# KiCad board DoubleWig.kicad_pcb (continued)
## Footprints (pads in the part's own frame, mm; a bottom-side part is the same pattern mirrored in y, then rotated) (continued)
13(-6.664,5.592) 13(-6.664,4.568) 13(-6.664,4.568) 13(-6.664,3.052) 13(-6.664,3.052) 13(-6.664,2.028) 13(-6.664,2.028) 13(-6.664,0.512) 13(-6.664,0.512) 13(-6.036,14.728) 13(-6.036,14.728) 13(-6.036,13.212) 13(-6.036,13.212) 13(-6.036,12.188) 13(-6.036,12.188) 13(-6.036,10.672) 13(-6.036,10.672) 13(-6.036,9.648) 13(-6.036,9.648) 13(-6.036,8.132) 13(-6.036,8.132) 13(-6.036,7.108) 13(-6.036,7.108) 13(-6.036,5.592) 13(-6.036,5.592) 13(-6.036,4.568) 13(-6.036,4.568) 13(-6.036,3.052) 13(-6.036,3.052) 13(-6.036,2.028) 13(-6.036,2.028) 13(-6.036,0.512) 13(-6.036,0.512) 13(-5.592,14.284) 13(-5.592,14.284) 13(-5.592,11.116) 13(-5.592,11.116) 13(-5.592,9.204) 13(-5.592,9.204) 13(-5.592,8.576) 13(-5.592,8.576) 13(-5.592,6.664) 13(-5.592,6.664) 13(-5.592,6.036) 13(-5.592,6.036) 13(-5.592,4.124) 13(-5.592,4.124) 13(-5.592,1.584) 13(-5.592,1.584) 13(-5.592,0.956) 13(-5.592,0.956) 13(-5.592,13.656) 13(-5.592,13.656) 13(-5.592,11.744) 13(-5.592,11.744) 13(-5.592,3.496) 13(-5.592,3.496) 13(-4.568,13.656) 13(-4.568,13.656) 13(-4.568,11.744) 13(-4.568,11.744) 13(-4.568,3.496) 13(-4.568,3.496) 13(-4.568,14.284) 13(-4.568,14.284) 13(-4.568,11.116) 13(-4.568,11.116) 13(-4.568,9.204) 13(-4.568,9.204) 13(-4.568,8.576) 13(-4.568,8.576) 13(-4.568,6.664) 13(-4.568,6.664) 13(-4.568,6.036) 13(-4.568,6.036) 13(-4.568,4.124) 13(-4.568,4.124) 13(-4.568,1.584) 13(-4.568,1.584) 13(-4.568,0.956) 13(-4.568,0.956) 13(-4.124,14.728) 13(-4.124,14.728) 14(-4.124,13.212) 14(-4.124,13.212) 14(-4.124,12.188) 14(-4.124,12.188) 14(-4.124,10.672) 14(-4.124,10.672) 14(-4.124,9.648) 14(-4.124,9.648) 14(-4.124,8.132) 14(-4.124,8.132) 14(-4.124,7.108) 14(-4.124,7.108) 14(-4.124,5.592) 14(-4.124,5.592) 14(-4.124,4.568) 14(-4.124,4.568) 14(-4.124,3.052) 14(-4.124,3.052) 14(-4.124,2.028) 14(-4.124,2.028) 14(-4.124,0.512) 14(-4.124,0.512) 14(-3.496,14.728) 14(-3.496,14.728) 14(-3.496,13.212) 14(-3.496,13.212) 14(-3.496,12.188) 14(-3.496,12.188) 14(-3.496,10.672) 14(-3.496,10.672) 14(-3.496,9.648) 14(-3.496,9.648) 14(-3.496,8.132) 14(-3.496,8.132) 14(-3.496,7.108) 14(-3.496,7.108) 14(-3.496,5.592) 14(-3.496,5.592) 14(-3.496,4.568) 14(-3.496,4.568) 14(-3.496,3.052) 14(-3.496,3.052) 14(-3.496,2.028) 14(-3.496,2.028) 14(-3.496,0.512) 14(-3.496,0.512) 14(-3.052,14.284) 14(-3.052,14.284) 14(-3.052,11.116) 14(-3.052,11.116) 14(-3.052,9.204) 14(-3.052,9.204) 14(-3.052,8.576) 14(-3.052,8.576) 14(-3.052,6.664) 14(-3.052,6.664) 14(-3.052,6.036) 14(-3.052,6.036) 14(-3.052,4.124) 14(-3.052,4.124) 14(-3.052,1.584) 14(-3.052,1.584) 14(-3.052,0.956) 14(-3.052,0.956) 14(-3.052,13.656) 14(-3.052,13.656) 14(-3.052,11.744) 14(-3.052,11.744) 14(-3.052,3.496) 14(-3.052,3.496) 14(-2.028,13.656) 14(-2.028,13.656) 14(-2.028,11.744) 14(-2.028,11.744) 14(-2.028,3.496) 14(-2.028,3.496) 14(-2.028,14.284) 14(-2.028,14.284) 14(-2.028,11.116) 14(-2.028,11.116) 14(-2.028,9.204) 14(-2.028,9.204) 14(-2.028,8.576) 14(-2.028,8.576) 14(-2.028,6.664) 14(-2.028,6.664) 14(-2.028,6.036) 14(-2.028,6.036) 14(-2.028,4.124) 14(-2.028,4.124) 14(-2.028,1.584) 14(-2.028,1.584) 14(-2.028,0.956) 14(-2.028,0.956) 14(-1.584,14.728) 14(-1.584,14.728) 15(-1.584,13.212) 15(-1.584,13.212) 15(-1.584,12.188) 15(-1.584,12.188) 15(-1.584,10.672) 15(-1.584,10.672) 15(-1.584,9.648) 15(-1.584,9.648) 15(-1.584,8.132) 15(-1.584,8.132) 15(-1.584,7.108) 15(-1.584,7.108) 15(-1.584,5.592) 15(-1.584,5.592) 15(-1.584,4.568) 15(-1.584,4.568) 15(-1.584,3.052) 15(-1.584,3.052) 15(-1.584,2.028) 15(-1.584,2.028) 15(-1.584,0.512) 15(-1.584,0.512) 15(-0.956,14.728) 15(-0.956,14.728) 15(-0.956,13.212) 15(-0.956,13.212) 15(-0.956,12.188) 15(-0.956,12.188) 15(-0.956,10.672) 15(-0.956,10.672) 15(-0.956,9.648) 15(-0.956,9.648) 15(-0.956,8.132) 15(-0.956,8.132) 15(-0.956,7.108) 15(-0.956,7.108) 15(-0.956,5.592) 15(-0.956,5.592) 15(-0.956,4.568) 15(-0.956,4.568) 15(-0.956,3.052) 15(-0.956,3.052) 15(-0.956,2.028) 15(-0.956,2.028) 15(-0.956,0.512) 15(-0.956,0.512) 15(-0.512,14.284) 15(-0.512,14.284) 15(-0.512,11.116) 15(-0.512,11.116) 15(-0.512,9.204) 15(-0.512,9.204) 15(-0.512,8.576) 15(-0.512,8.576) 15(-0.512,6.664) 15(-0.512,6.664) 15(-0.512,6.036) 15(-0.512,6.036) 15(-0.512,4.124) 15(-0.512,4.124) 15(-0.512,1.584) 15(-0.512,1.584) 15(-0.512,0.956) 15(-0.512,0.956) 15(-0.512,13.656) 15(-0.512,13.656) 15(-0.512,11.744) 15(-0.512,11.744) 15(-0.512,3.496) 15(-0.512,3.496) 15(0.512,13.656) 15(0.512,13.656) 15(0.512,11.744) 15(0.512,11.744) 15(0.512,3.496) 15(0.512,3.496) 15(0.512,14.284) 15(0.512,14.284) 15(0.512,11.116) 15(0.512,11.116) 15(0.512,9.204) 15(0.512,9.204) 15(0.512,8.576) 15(0.512,8.576) 15(0.512,6.664) 15(0.512,6.664) 15(0.512,6.036) 15(0.512,6.036) 15(0.512,4.124) 15(0.512,4.124) 15(0.512,1.584) 15(0.512,1.584) 15(0.512,0.956) 15(0.512,0.956) 15(0.956,14.728) 15(0.956,14.728) 16(0.956,13.212) 16(0.956,13.212) 16(0.956,12.188) 16(0.956,12.188) 16(0.956,10.672) 16(0.956,10.672) 16(0.956,9.648) 16(0.956,9.648) 16(0.956,8.132) 16(0.956,8.132) 16(0.956,7.108) 16(0.956,7.108) 16(0.956,5.592) 16(0.956,5.592) 16(0.956,4.568) 16(0.956,4.568) 16(0.956,3.052) 16(0.956,3.052) 16(0.956,2.028) 16(0.956,2.028) 16(0.956,0.512) 16(0.956,0.512) 16(1.584,14.728) 16(1.584,14.728) 16(1.584,13.212) 16(1.584,13.212) 16(1.584,12.188) 16(1.584,12.188) 16(1.584,10.672) 16(1.584,10.672) 16(1.584,9.648) 16(1.584,9.648) 16(1.584,8.132) 16(1.584,8.132) 16(1.584,7.108) 16(1.584,7.108) 16(1.584,5.592) 16(1.584,5.592) 16(1.584,4.568) 16(1.584,4.568) 16(1.584,3.052) 16(1.584,3.052) 16(1.584,2.028) 16(1.584,2.028) 16(1.584,0.512) 16(1.584,0.512) 16(2.028,14.284) 16(2.028,14.284) 16(2.028,11.116) 16(2.028,11.116) 16(2.028,9.204) 16(2.028,9.204) 16(2.028,8.576) 16(2.028,8.576) 16(2.028,6.664) 16(2.028,6.664) 16(2.028,6.036) 16(2.028,6.036) 16(2.028,4.124) 16(2.028,4.124) 16(2.028,1.584) 16(2.028,1.584) 16(2.028,0.956) 16(2.028,0.956) 16(2.028,13.656) 16(2.028,13.656) 16(2.028,11.744) 16(2.028,11.744) 16(2.028,3.496) 16(2.028,3.496) 16(3.052,13.656) 16(3.052,13.656) 16(3.052,11.744) 16(3.052,11.744) 16(3.052,3.496) 16(3.052,3.496) 16(3.052,14.284) 16(3.052,14.284) 16(3.052,11.116) 16(3.052,11.116) 16(3.052,9.204) 16(3.052,9.204) 16(3.052,8.576) 16(3.052,8.576) 16(3.052,6.664) 16(3.052,6.664) 16(3.052,6.036) 16(3.052,6.036) 16(3.052,4.124) 16(3.052,4.124) 16(3.052,1.584) 16(3.052,1.584) 16(3.052,0.956) 16(3.052,0.956) 16(3.496,14.728) 16(3.496,14.728) 17(3.496,13.212) 17(3.496,13.212) 17(3.496,12.188) 17(3.496,12.188) 17(3.496,10.672) 17(3.496,10.672) 17(3.496,9.648) 17(3.496,9.648) 17(3.496,8.132) 17(3.496,8.132) 17(3.496,7.108) 17(3.496,7.108) 17(3.496,5.592) 17(3.496,5.592) 17(3.496,4.568) 17(3.496,4.568) 17(3.496,3.052) 17(3.496,3.052) 17(3.496,2.028) 17(3.496,2.028) 17(3.496,0.512) 17(3.496,0.512) 17(4.124,14.728) 17(4.124,14.728) 17(4.124,13.212) 17(4.124,13.212) 17(4.124,12.188) 17(4.124,12.188) 17(4.124,10.672) 17(4.124,10.672) 17(4.124,9.648) 17(4.124,9.648) 17(4.124,8.132) 17(4.124,8.132) 17(4.124,7.108) 17(4.124,7.108) 17(4.124,5.592) 17(4.124,5.592) 17(4.124,4.568) 17(4.124,4.568) 17(4.124,3.052) 17(4.124,3.052) 17(4.124,2.028) 17(4.124,2.028) 17(4.124,0.512) 17(4.124,0.512) 17(4.568,14.284) 17(4.568,14.284) 17(4.568,11.116) 17(4.568,11.116) 17(4.568,9.204) 17(4.568,9.204) 17(4.568,8.576) 17(4.568,8.576) 17(4.568,6.664) 17(4.568,6.664) 17(4.568,6.036) 17(4.568,6.036) 17(4.568,4.124) 17(4.568,4.124) 17(4.568,1.584) 17(4.568,1.584) 17(4.568,0.956) 17(4.568,0.956) 17(4.568,13.656) 17(4.568,13.656) 17(4.568,11.744) 17(4.568,11.744) 17(4.568,3.496) 17(4.568,3.496) 17(5.592,13.656) 17(5.592,13.656) 17(5.592,11.744) 17(5.592,11.744) 17(5.592,3.496) 17(5.592,3.496) 17(5.592,14.284) 17(5.592,14.284) 17(5.592,11.116) 17(5.592,11.116) 17(5.592,9.204) 17(5.592,9.204) 17(5.592,8.576) 17(5.592,8.576) 17(5.592,6.664) 17(5.592,6.664) 17(5.592,6.036) 17(5.592,6.036) 17(5.592,4.124) 17(5.592,4.124) 17(5.592,1.584) 17(5.592,1.584) 17(5.592,0.956) 17(5.592,0.956) 17(6.036,14.728) 17(6.036,14.728) 18(6.036,13.212) 18(6.036,13.212) 18(6.036,12.188) 18(6.036,12.188) 18(6.036,10.672) 18(6.036,10.672) 18(6.036,9.648) 18(6.036,9.648) 18(6.036,8.132) 18(6.036,8.132) 18(6.036,7.108) 18(6.036,7.108) 18(6.036,5.592) 18(6.036,5.592) 18(6.036,4.568) 18(6.036,4.568) 18(6.036,3.052) 18(6.036,3.052) 18(6.036,2.028) 18(6.036,2.028) 18(6.036,0.512) 18(6.036,0.512) 18(6.664,14.728) 18(6.664,14.728) 18(6.664,13.212) 18(6.664,13.212) 18(6.664,12.188) 18(6.664,12.188) 18(6.664,10.672) 18(6.664,10.672) 18(6.664,9.648) 18(6.664,9.648) 18(6.664,8.132) 18(6.664,8.132) 18(6.664,7.108) 18(6.664,7.108) 18(6.664,5.592) 18(6.664,5.592) 18(6.664,4.568) 18(6.664,4.568) 18(6.664,3.052) 18(6.664,3.052) 18(6.664,2.028) 18(6.664,2.028) 18(6.664,0.512) 18(6.664,0.512) 18(7.108,14.284) 18(7.108,14.284) 18(7.108,11.116) 18(7.108,11.116) 18(7.108,9.204) 18(7.108,9.204) 18(7.108,8.576) 18(7.108,8.576) 18(7.108,6.664) 18(7.108,6.664) 18(7.108,6.036) 18(7.108,6.036) 18(7.108,4.124) 18(7.108,4.124) 18(7.108,1.584) 18(7.108,1.584) 18(7.108,0.956) 18(7.108,0.956) 18(7.108,13.656) 18(7.108,13.656) 18(7.108,11.744) 18(7.108,11.744) 18(7.108,3.496) 18(7.108,3.496) 18(8.132,13.656) 18(8.132,13.656) 18(8.132,11.744) 18(8.132,11.744) 18(8.132,3.496) 18(8.132,3.496) 18(8.132,14.284) 18(8.132,14.284) 18(8.132,11.116) 18(8.132,11.116) 18(8.132,9.204) 18(8.132,9.204) 18(8.132,8.576) 18(8.132,8.576) 18(8.132,6.664) 18(8.132,6.664) 18(8.132,6.036) 18(8.132,6.036) 18(8.132,4.124) 18(8.132,4.124) 18(8.132,1.584) 18(8.132,1.584) 18(8.132,0.956) 18(8.132,0.956) 18(8.576,14.728) 18(8.576,14.728) 19(8.576,13.212) 19(8.576,13.212) 19(8.576,12.188) 19(8.576,12.188) 19(8.576,10.672) 19(8.576,10.672) 19(8.576,9.648) 19(8.576,9.648) 19(8.576,8.132) 19(8.576,8.132) 19(8.576,7.108) 19(8.576,7.108) 19(8.576,5.592) 19(8.576,5.592) 19(8.576,4.568) 19(8.576,4.568) 19(8.576,3.052) 19(8.576,3.052) 19(8.576,2.028) 19(8.576,2.028) 19(8.576,0.512) 19(8.576,0.512) 19(9.204,14.728) 19(9.204,14.728) 19(9.204,13.212) 19(9.204,13.212) 19(9.204,12.188) 19(9.204,12.188) 19(9.204,10.672) 19(9.204,10.672) 19(9.204,9.648) 19(9.204,9.648) 19(9.204,8.132) 19(9.204,8.132) 19(9.204,7.108) 19(9.204,7.108) 19(9.204,5.592) 19(9.204,5.592) 19(9.204,4.568) 19(9.204,4.568) 19(9.204,3.052) 19(9.204,3.052) 19(9.204,2.028) 19(9.204,2.028) 19(9.204,0.512) 19(9.204,0.512) 19(9.648,14.284) 19(9.648,14.284) 19(9.648,11.116) 19(9.648,11.116) 19(9.648,9.204) 19(9.648,9.204) 19(9.648,8.576) 19(9.648,8.576) 19(9.648,6.664) 19(9.648,6.664) 19(9.648,6.036) 19(9.648,6.036) 19(9.648,4.124) 19(9.648,4.124) 19(9.648,1.584) 19(9.648,1.584) 19(9.648,0.956) 19(9.648,0.956) 19(9.648,13.656) 19(9.648,13.656) 19(9.648,11.744) 19(9.648,11.744) 19(9.648,3.496) 19(9.648,3.496) 19(10.672,13.656) 19(10.672,13.656) 19(10.672,11.744) 19(10.672,11.744) 19(10.672,3.496) 19(10.672,3.496) 19(10.672,14.284) 19(10.672,14.284) 19(10.672,11.116) 19(10.672,11.116) 19(10.672,9.204) 19(10.672,9.204) 19(10.672,8.576) 19(10.672,8.576) 19(10.672,6.664) 19(10.672,6.664) 19(10.672,6.036) 19(10.672,6.036) 19(10.672,4.124) 19(10.672,4.124) 19(10.672,1.584) 19(10.672,1.584) 19(10.672,0.956) 19(10.672,0.956) 19(11.116,14.728) 19(11.116,14.728) 20(11.116,13.212) 20(11.116,13.212) 20(11.116,12.188) 20(11.116,12.188) 20(11.116,10.672) 20(11.116,10.672) 20(11.116,9.648) 20(11.116,9.648) 20(11.116,8.132) 20(11.116,8.132) 20(11.116,7.108) 20(11.116,7.108) 20(11.116,5.592) 20(11.116,5.592) 20(11.116,4.568) 20(11.116,4.568) 20(11.116,3.052) 20(11.116,3.052) 20(11.116,2.028) 20(11.116,2.028) 20(11.116,0.512) 20(11.116,0.512) 20(11.744,14.728) 20(11.744,14.728) 20(11.744,13.212) 20(11.744,13.212) 20(11.744,12.188) 20(11.744,12.188) 20(11.744,10.672) 20(11.744,10.672) 20(11.744,9.648) 20(11.744,9.648) 20(11.744,8.132) 20(11.744,8.132) 20(11.744,7.108) 20(11.744,7.108) 20(11.744,5.592) 20(11.744,5.592) 20(11.744,4.568) 20(11.744,4.568) 20(11.744,3.052) 20(11.744,3.052) 20(11.744,2.028) 20(11.744,2.028) 20(11.744,0.512) 20(11.744,0.512) 20(12.188,14.284) 20(12.188,14.284) 20(12.188,11.116) 20(12.188,11.116) 20(12.188,9.204) 20(12.188,9.204) 20(12.188,8.576) 20(12.188,8.576) 20(12.188,6.664) 20(12.188,6.664) 20(12.188,6.036) 20(12.188,6.036) 20(12.188,4.124) 20(12.188,4.124) 20(12.188,1.584) 20(12.188,1.584) 20(12.188,0.956) 20(12.188,0.956) 20(12.188,13.656) 20(12.188,13.656) 20(12.188,11.744) 20(12.188,11.744) 20(12.188,3.496) 20(12.188,3.496) 20(13.212,13.656) 20(13.212,13.656) 20(13.212,11.744) 20(13.212,11.744) 20(13.212,3.496) 20(13.212,3.496) 20(13.212,14.284) 20(13.212,14.284) 20(13.212,11.116) 20(13.212,11.116) 20(13.212,9.204) 20(13.212,9.204) 20(13.212,8.576) 20(13.212,8.576) 20(13.212,6.664) 20(13.212,6.664) 20(13.212,6.036) 20(13.212,6.036) 20(13.212,4.124) 20(13.212,4.124) 20(13.212,1.584) 20(13.212,1.584) 20(13.212,0.956) 20(13.212,0.956) 20(13.656,14.728) 20(13.656,14.728) 21(13.656,13.212) 21(13.656,13.212) 21(13.656,12.188) 21(13.656,12.188) 21(13.656,10.672) 21(13.656,10.672) 21(13.656,9.648) 21(13.656,9.648) 21(13.656,8.132) 21(13.656,8.132) 21(13.656,7.108) 21(13.656,7.108) 21(13.656,5.592) 21(13.656,5.592) 21(13.656,4.568) 21(13.656,4.568) 21(13.656,3.052) 21(13.656,3.052) 21(13.656,2.028) 21(13.656,2.028) 21(13.656,0.512) 21(13.656,0.512) 21(14.284,14.728) 21(14.284,14.728) 21(14.284,13.212) 21(14.284,13.212) 21(14.284,12.188) 21(14.284,12.188) 21(14.284,10.672) 21(14.284,10.672) 21(14.284,9.648) 21(14.284,9.648) 21(14.284,8.132) 21(14.284,8.132) 21(14.284,7.108) 21(14.284,7.108) 21(14.284,5.592) 21(14.284,5.592) 21(14.284,4.568) 21(14.284,4.568) 21(14.284,3.052) 21(14.284,3.052) 21(14.284,2.028) 21(14.284,2.028) 21(14.284,0.512) 21(14.284,0.512) 21(14.728,14.284) 21(14.728,14.284) 21(14.728,11.116) 21(14.728,11.116) 21(14.728,9.204) 21(14.728,9.204) 21(14.728,8.576) 21(14.728,8.576) 21(14.728,6.664) 21(14.728,6.664) 21(14.728,6.036) 21(14.728,6.036) 21(14.728,4.124) 21(14.728,4.124) 21(14.728,1.584) 21(14.728,1.584) 21(14.728,0.956) 21(14.728,0.956) 21(14.728,13.656) 21(14.728,13.656) 21(14.728,11.744) 21(14.728,11.744) 21(14.728,3.496) 21(14.728,3.496) 21(15.752,13.656) 21(15.752,13.656) 21(15.752,11.744) 21(15.752,11.744) 21(15.752,3.496) 21(15.752,3.496) 21(15.752,14.284) 21(15.752,14.284) 21(15.752,11.116) 21(15.752,11.116) 21(15.752,9.204) 21(15.752,9.204) 21(15.752,8.576) 21(15.752,8.576) 21(15.752,6.664) 21(15.752,6.664) 21(15.752,6.036) 21(15.752,6.036) 21(15.752,4.124) 21(15.752,4.124) 21(15.752,1.584) 21(15.752,1.584) 21(15.752,0.956) 21(15.752,0.956) 21(16.196,14.728) 21(16.196,14.728) 22(16.196,13.212) 22(16.196,13.212) 22(16.196,12.188) 22(16.196,12.188) 22(16.196,10.672) 22(16.196,10.672) 22(16.196,9.648) 22(16.196,9.648) 22(16.196,8.132) 22(16.196,8.132) 22(16.196,7.108) 22(16.196,7.108) 22(16.196,5.592) 22(16.196,5.592) 22(16.196,4.568) 22(16.196,4.568) 22(16.196,3.052) 22(16.196,3.052) 22(16.196,2.028) 22(16.196,2.028) 22(16.196,0.512) 22(16.196,0.512) 22(16.824,14.728) 22(16.824,14.728) 22(16.824,13.212) 22(16.824,13.212) 22(16.824,12.188) 22(16.824,12.188) 22(16.824,10.672) 22(16.824,10.672) 22(16.824,9.648) 22(16.824,9.648) 22(16.824,8.132) 22(16.824,8.132) 22(16.824,7.108) 22(16.824,7.108) 22(16.824,5.592) 22(16.824,5.592) 22(16.824,4.568) 22(16.824,4.568) 22(16.824,3.052) 22(16.824,3.052) 22(16.824,2.028) 22(16.824,2.028) 22(16.824,0.512) 22(16.824,0.512) 22(17.268,14.284) 22(17.268,14.284) 22(17.268,11.116) 22(17.268,11.116) 22(17.268,9.204) 22(17.268,9.204) 22(17.268,8.576) 22(17.268,8.576) 22(17.268,6.664) 22(17.268,6.664) 22(17.268,6.036) 22(17.268,6.036) 22(17.268,4.124) 22(17.268,4.124) 22(17.268,1.584) 22(17.268,1.584) 22(17.268,0.956) 22(17.268,0.956) 22(17.268,13.656) 22(17.268,13.656) 22(17.268,11.744) 22(17.268,11.744) 22(17.268,3.496) 22(17.268,3.496) 22(18.292,13.656) 22(18.292,13.656) 22(18.292,11.744) 22(18.292,11.744) 22(18.292,3.496) 22(18.292,3.496) 22(18.292,14.284) 22(18.292,14.284) 22(18.292,11.116) 22(18.292,11.116) 22(18.292,9.204) 22(18.292,9.204) 22(18.292,8.576) 22(18.292,8.576) 22(18.292,6.664) 22(18.292,6.664) 22(18.292,6.036) 22(18.292,6.036) 22(18.292,4.124) 22(18.292,4.124) 22(18.292,1.584) 22(18.292,1.584) 22(18.292,0.956) 22(18.292,0.956) 22(18.736,14.728) 22(18.736,14.728) 23(18.736,13.212) 23(18.736,13.212) 23(18.736,12.188) 23(18.736,12.188) 23(18.736,10.672) 23(18.736,10.672) 23(18.736,9.648) 23(18.736,9.648) 23(18.736,8.132) 23(18.736,8.132) 23(18.736,7.108) 23(18.736,7.108) 23(18.736,5.592) 23(18.736,5.592) 23(18.736,4.568) 23(18.736,4.568) 23(18.736,3.052) 23(18.736,3.052) 23(18.736,2.028) 23(18.736,2.028) 23(18.736,0.512) 23(18.736,0.512) 23(19.364,14.728) 23(19.364,14.728) 23(19.364,13.212) 23(19.364,13.212) 23(19.364,12.188) 23(19.364,12.188) 23(19.364,10.672) 23(19.364,10.672) 23(19.364,9.648) 23(19.364,9.648) 23(19.364,8.132) 23(19.364,8.132) 23(19.364,7.108) 23(19.364,7.108) 23(19.364,5.592) 23(19.364,5.592) 23(19.364,4.568) 23(19.364,4.568) 23(19.364,3.052) 23(19.364,3.052) 23(19.364,2.028) 23(19.364,2.028) 23(19.364,0.512) 23(19.364,0.512) 23(19.808,14.284) 23(19.808,14.284) 23(19.808,11.116) 23(19.808,11.116) 23(19.808,9.204) 23(19.808,9.204) 23(19.808,8.576) 23(19.808,8.576) 23(19.808,6.664) 23(19.808,6.664) 23(19.808,6.036) 23(19.808,6.036) 23(19.808,4.124) 23(19.808,4.124) 23(19.808,1.584) 23(19.808,1.584) 23(19.808,0.956) 23(19.808,0.956) 23(19.808,13.656) 23(19.808,13.656) 23(19.808,11.744) 23(19.808,11.744) 23(19.808,3.496) 23(19.808,3.496) 23(20.832,13.656) 23(20.832,13.656) 23(20.832,11.744) 23(20.832,11.744) 23(20.832,3.496) 23(20.832,3.496) 23(20.832,14.284) 23(20.832,14.284) 23(20.832,11.116) 23(20.832,11.116) 23(20.832,9.204) 23(20.832,9.204) 23(20.832,8.576) 23(20.832,8.576) 23(20.832,6.664) 23(20.832,6.664) 23(20.832,6.036) 23(20.832,6.036) 23(20.832,4.124) 23(20.832,4.124) 23(20.832,1.584) 23(20.832,1.584) 23(20.832,0.956) 23(20.832,0.956) 23(21.276,14.728) 23(21.276,14.728) 24(21.276,13.212) 24(21.276,13.212) 24(21.276,12.188) 24(21.276,12.188) 24(21.276,10.672) 24(21.276,10.672) 24(21.276,9.648) 24(21.276,9.648) 24(21.276,8.132) 24(21.276,8.132) 24(21.276,7.108) 24(21.276,7.108) 24(21.276,5.592) 24(21.276,5.592) 24(21.276,4.568) 24(21.276,4.568) 24(21.276,3.052) 24(21.276,3.052) 24(21.276,2.028) 24(21.276,2.028) 24(21.276,0.512) 24(21.276,0.512) 24(21.904,14.728) 24(21.904,14.728) 24(21.904,13.212) 24(21.904,13.212) 24(21.904,12.188) 24(21.904,12.188) 24(21.904,10.672) 24(21.904,10.672) 24(21.904,9.648) 24(21.904,9.648) 24(21.904,8.132) 24(21.904,8.132) 24(21.904,7.108) 24(21.904,7.108) 24(21.904,5.592) 24(21.904,5.592) 24(21.904,4.568) 24(21.904,4.568) 24(21.904,3.052) 24(21.904,3.052) 24(21.904,2.028) 24(21.904,2.028) 24(21.904,0.512) 24(21.904,0.512) 24(22.348,14.284) 24(22.348,14.284) 24(22.348,11.116) 24(22.348,11.116) 24(22.348,9.204) 24(22.348,9.204) 24(22.348,8.576) 24(22.348,8.576) 24(22.348,6.664) 24(22.348,6.664) 24(22.348,6.036) 24(22.348,6.036) 24(22.348,4.124) 24(22.348,4.124) 24(22.348,1.584) 24(22.348,1.584) 24(22.348,0.956) 24(22.348,0.956) 24(22.348,13.656) 24(22.348,13.656) 24(22.348,11.744) 24(22.348,11.744) 24(22.348,3.496) 24(22.348,3.496) 24(23.372,13.656) 24(23.372,13.656) 24(23.372,11.744) 24(23.372,11.744) 24(23.372,3.496) 24(23.372,3.496) 24(23.372,14.284) 24(23.372,14.284) 24(23.372,11.116) 24(23.372,11.116) 24(23.372,9.204) 24(23.372,9.204) 24(23.372,8.576) 24(23.372,8.576) 24(23.372,6.664) 24(23.372,6.664) 24(23.372,6.036) 24(23.372,6.036) 24(23.372,4.124) 24(23.372,4.124) 24(23.372,1.584) 24(23.372,1.584) 24(23.372,0.956) 24(23.372,0.956) 24(23.816,14.728) 24(23.816,14.728) 25(23.816,13.212) 25(23.816,13.212) 25(23.816,12.188) 25(23.816,12.188) 25(23.816,10.672) 25(23.816,10.672) 25(23.816,9.648) 25(23.816,9.648) 25(23.816,8.132) 25(23.816,8.132) 25(23.816,7.108) 25(23.816,7.108) 25(23.816,5.592) 25(23.816,5.592) 25(23.816,4.568) 25(23.816,4.568) 25(23.816,3.052) 25(23.816,3.052) 25(23.816,2.028) 25(23.816,2.028) 25(23.816,0.512) 25(23.816,0.512) 25(24.444,14.728) 25(24.444,14.728) 25(24.444,13.212) 25(24.444,13.212) 25(24.444,12.188) 25(24.444,12.188) 25(24.444,10.672) 25(24.444,10.672) 25(24.444,9.648) 25(24.444,9.648) 25(24.444,8.132) 25(24.444,8.132) 25(24.444,7.108) 25(24.444,7.108) 25(24.444,5.592) 25(24.444,5.592) 25(24.444,4.568) 25(24.444,4.568) 25(24.444,3.052) 25(24.444,3.052) 25(24.444,2.028) 25(24.444,2.028) 25(24.444,0.512) 25(24.444,0.512) 25(24.888,14.284) 25(24.888,14.284) 25(24.888,11.116) 25(24.888,11.116) 25(24.888,9.204) 25(24.888,9.204) 25(24.888,8.576) 25(24.888,8.576) 25(24.888,6.664) 25(24.888,6.664) 25(24.888,6.036) 25(24.888,6.036) 25(24.888,4.124) 25(24.888,4.124) 25(24.888,1.584) 25(24.888,1.584) 25(24.888,0.956) 25(24.888,0.956) 25(24.888,13.656) 25(24.888,13.656) 25(24.888,11.744) 25(24.888,11.744) 25(24.888,3.496) 25(24.888,3.496) 25(25.912,13.656) 25(25.912,13.656) 25(25.912,11.744) 25(25.912,11.744) 25(25.912,3.496) 25(25.912,3.496) 25(25.912,14.284) 25(25.912,14.284) 25(25.912,11.116) 25(25.912,11.116) 25(25.912,9.204) 25(25.912,9.204) 25(25.912,8.576) 25(25.912,8.576) 25(25.912,6.664) 25(25.912,6.664) 25(25.912,6.036) 25(25.912,6.036) 25(25.912,4.124) 25(25.912,4.124) 25(25.912,1.584) 25(25.912,1.584) 25(25.912,0.956) 25(25.912,0.956) 25(26.356,14.728) 25(26.356,14.728) 26(26.356,13.212) 26(26.356,13.212) 26(26.356,12.188) 26(26.356,12.188) 26(26.356,10.672) 26(26.356,10.672) 26(26.356,9.648) 26(26.356,9.648) 26(26.356,8.132) 26(26.356,8.132) 26(26.356,7.108) 26(26.356,7.108) 26(26.356,5.592) 26(26.356,5.592) 26(26.356,4.568) 26(26.356,4.568) 26(26.356,3.052) 26(26.356,3.052) 26(26.356,2.028) 26(26.356,2.028) 26(26.356,0.512) 26(26.356,0.512) 26(26.984,14.728) 26(26.984,14.728) 26(26.984,13.212) 26(26.984,13.212) 26(26.984,12.188) 26(26.984,12.188) 26(26.984,10.672) 26(26.984,10.672) 26(26.984,9.648) 26(26.984,9.648) 26(26.984,8.132) 26(26.984,8.132) 26(26.984,7.108) 26(26.984,7.108) 26(26.984,5.592) 26(26.984,5.592) 26(26.984,4.568) 26(26.984,4.568) 26(26.984,3.052) 26(26.984,3.052) 26(26.984,2.028) 26(26.984,2.028) 26(26.984,0.512) 26(26.984,0.512) 26(27.428,14.284) 26(27.428,14.284) 26(27.428,11.116) 26(27.428,11.116) 26(27.428,9.204) 26(27.428,9.204) 26(27.428,8.576) 26(27.428,8.576) 26(27.428,6.664) 26(27.428,6.664) 26(27.428,6.036) 26(27.428,6.036) 26(27.428,4.124) 26(27.428,4.124) 26(27.428,1.584) 26(27.428,1.584) 26(27.428,0.956) 26(27.428,0.956) 26(27.428,13.656) 26(27.428,13.656) 26(27.428,11.744) 26(27.428,11.744) 26(27.428,3.496) 26(27.428,3.496) 26(28.452,13.656) 26(28.452,13.656) 26(28.452,11.744) 26(28.452,11.744) 26(28.452,3.496) 26(28.452,3.496) 26(28.452,14.284) 26(28.452,14.284) 26(28.452,11.116) 26(28.452,11.116) 26(28.452,9.204) 26(28.452,9.204) 26(28.452,8.576) 26(28.452,8.576) 26(28.452,6.664) 26(28.452,6.664) 26(28.452,6.036) 26(28.452,6.036) 26(28.452,4.124) 26(28.452,4.124) 26(28.452,1.584) 26(28.452,1.584) 26(28.452,0.956) 26(28.452,0.956) 26(28.896,14.728) 26(28.896,14.728) 27(28.896,13.212) 27(28.896,13.212) 27(28.896,12.188) 27(28.896,12.188) 27(28.896,10.672) 27(28.896,10.672) 27(28.896,9.648) 27(28.896,9.648) 27(28.896,8.132) 27(28.896,8.132) 27(28.896,7.108) 27(28.896,7.108) 27(28.896,5.592) 27(28.896,5.592) 27(28.896,4.568) 27(28.896,4.568) 27(28.896,3.052) 27(28.896,3.052) 27(28.896,2.028) 27(28.896,2.028) 27(28.896,0.512) 27(28.896,0.512) 27(29.524,14.728) 27(29.524,14.728) 27(29.524,13.212) 27(29.524,13.212) 27(29.524,12.188) 27(29.524,12.188) 27(29.524,10.672) 27(29.524,10.672) 27(29.524,9.648) 27(29.524,9.648) 27(29.524,8.132) 27(29.524,8.132) 27(29.524,7.108) 27(29.524,7.108) 27(29.524,5.592) 27(29.524,5.592) 27(29.524,4.568) 27(29.524,4.568) 27(29.524,3.052) 27(29.524,3.052) 27(29.524,2.028) 27(29.524,2.028) 27(29.524,0.512) 27(29.524,0.512) 27(29.968,14.284) 27(29.968,14.284) 27(29.968,11.116) 27(29.968,11.116) 27(29.968,9.204) 27(29.968,9.204) 27(29.968,8.576) 27(29.968,8.576) 27(29.968,6.664) 27(29.968,6.664) 27(29.968,6.036) 27(29.968,6.036) 27(29.968,4.124) 27(29.968,4.124) 27(29.968,1.584) 27(29.968,1.584) 27(29.968,0.956) 27(29.968,0.956) 27(29.968,13.656) 27(29.968,13.656) 27(29.968,11.744) 27(29.968,11.744) 27(29.968,3.496) 27(29.968,3.496) 27(30.992,13.656) 27(30.992,13.656) 27(30.992,11.744) 27(30.992,11.744) 27(30.992,3.496) 27(30.992,3.496) 27(30.992,14.284) 27(30.992,14.284) 27(30.992,11.116) 27(30.992,11.116) 27(30.992,9.204) 27(30.992,9.204) 27(30.992,8.576) 27(30.992,8.576) 27(30.992,6.664) 27(30.992,6.664) 27(30.992,6.036) 27(30.992,6.036) 27(30.992,4.124) 27(30.992,4.124) 27(30.992,1.584) 27(30.992,1.584) 27(30.992,0.956) 27(30.992,0.956) 27(31.436,14.728) 27(31.436,14.728) 28(31.436,13.212) 28(31.436,13.212) 28(31.436,12.188) 28(31.436,12.188) 28(31.436,10.672) 28(31.436,10.672) 28(31.436,9.648) 28(31.436,9.648) 28(31.436,8.132) 28(31.436,8.132) 28(31.436,7.108) 28(31.436,7.108) 28(31.436,5.592) 28(31.436,5.592) 28(31.436,4.568) 28(31.436,4.568) 28(31.436,3.052) 28(31.436,3.052) 28(31.436,2.028) 28(31.436,2.028) 28(31.436,0.512) 28(31.436,0.512) 28(32.064,14.728) 28(32.064,14.728) 28(32.064,13.212) 28(32.064,13.212) 28(32.064,12.188) 28(32.064,12.188) 28(32.064,10.672) 28(32.064,10.672) 28(32.064,9.648) 28(32.064,9.648) 28(32.064,8.132) 28(32.064,8.132) 28(32.064,7.108) 28(32.064,7.108) 28(32.064,5.592) 28(32.064,5.592) 28(32.064,4.568) 28(32.064,4.568) 28(32.064,3.052) 28(32.064,3.052) 28(32.064,2.028) 28(32.064,2.028) 28(32.064,0.512) 28(32.064,0.512) 28(32.508,14.284) 28(32.508,14.284) 28(32.508,11.116) 28(32.508,11.116) 28(32.508,9.204) 28(32.508,9.204) 28(32.508,8.576) 28(32.508,8.576) 28(32.508,6.664) 28(32.508,6.664) 28(32.508,6.036) 28(32.508,6.036) 28(32.508,4.124) 28(32.508,4.124) 28(32.508,1.584) 28(32.508,1.584) 28(32.508,0.956) 28(32.508,0.956) 28(32.508,13.656) 28(32.508,13.656) 28(32.508,11.744) 28(32.508,11.744) 28(32.508,3.496) 28(32.508,3.496) 28(33.532,13.656) 28(33.532,13.656) 28(33.532,11.744) 28(33.532,11.744) 28(33.532,3.496) 28(33.532,3.496) 28(33.532,14.284) 28(33.532,14.284) 28(33.532,11.116) 28(33.532,11.116) 28(33.532,9.204) 28(33.532,9.204) 28(33.532,8.576) 28(33.532,8.576) 28(33.532,6.664) 28(33.532,6.664) 28(33.532,6.036) 28(33.532,6.036) 28(33.532,4.124) 28(33.532,4.124) 28(33.532,1.584) 28(33.532,1.584) 28(33.532,0.956) 28(33.532,0.956) 28(33.976,14.728) 28(33.976,14.728) 29(33.976,13.212) 29(33.976,13.212) 29(33.976,12.188) 29(33.976,12.188) 29(33.976,10.672) 29(33.976,10.672) 29(33.976,9.648) 29(33.976,9.648) 29(33.976,8.132) 29(33.976,8.132) 29(33.976,7.108) 29(33.976,7.108) 29(33.976,5.592) 29(33.976,5.592) 29(33.976,4.568) 29(33.976,4.568) 29(33.976,3.052) 29(33.976,3.052) 29(33.976,2.028) 29(33.976,2.028) 29(33.976,0.512) 29(33.976,0.512) 29(34.604,14.728) 29(34.604,14.728) 29(34.604,13.212) 29(34.604,13.212) 29(34.604,12.188) 29(34.604,12.188) 29(34.604,10.672) 29(34.604,10.672) 29(34.604,9.648) 29(34.604,9.648) 29(34.604,8.132) 29(34.604,8.132) 29(34.604,7.108) 29(34.604,7.108) 29(34.604,5.592) 29(34.604,5.592) 29(34.604,4.568) 29(34.604,4.568) 29(34.604,3.052) 29(34.604,3.052) 29(34.604,2.028) 29(34.604,2.028) 29(34.604,0.512) 29(34.604,0.512) 29(35.048,14.284) 29(35.048,14.284) 29(35.048,11.116) 29(35.048,11.116) 29(35.048,9.204) 29(35.048,9.204) 29(35.048,8.576) 29(35.048,8.576) 29(35.048,6.664) 29(35.048,6.664) 29(35.048,6.036) 29(35.048,6.036) 29(35.048,4.124) 29(35.048,4.124) 29(35.048,1.584) 29(35.048,1.584) 29(35.048,0.956) 29(35.048,0.956) 29(35.048,13.656) 29(35.048,13.656) 29(35.048,11.744) 29(35.048,11.744) 29(35.048,3.496) 29(35.048,3.496) 29(36.072,13.656) 29(36.072,13.656) 29(36.072,11.744) 29(36.072,11.744) 29(36.072,3.496) 29(36.072,3.496) 29(36.072,14.284) 29(36.072,14.284) 29(36.072,11.116) 29(36.072,11.116) 29(36.072,9.204) 29(36.072,9.204) 29(36.072,8.576) 29(36.072,8.576) 29(36.072,6.664) 29(36.072,6.664) 29(36.072,6.036) 29(36.072,6.036) 29(36.072,4.124) 29(36.072,4.124) 29(36.072,1.584) 29(36.072,1.584) 29(36.072,0.956) 29(36.072,0.956) 29(36.516,14.728) 29(36.516,14.728) 30(36.516,13.212) 30(36.516,13.212) 30(36.516,12.188) 30(36.516,12.188) 30(36.516,10.672) 30(36.516,10.672) 30(36.516,9.648) 30(36.516,9.648) 30(36.516,8.132) 30(36.516,8.132) 30(36.516,7.108) 30(36.516,7.108) 30(36.516,5.592) 30(36.516,5.592) 30(36.516,4.568) 30(36.516,4.568) 30(36.516,3.052) 30(36.516,3.052) 30(36.516,2.028) 30(36.516,2.028) 30(36.516,0.512) 30(36.516,0.512) 30(37.144,14.728) 30(37.144,14.728) 30(37.144,13.212) 30(37.144,13.212) 30(37.144,12.188) 30(37.144,12.188) 30(37.144,10.672) 30(37.144,10.672) 30(37.144,9.648) 30(37.144,9.648) 30(37.144,8.132) 30(37.144,8.132) 30(37.144,7.108) 30(37.144,7.108) 30(37.144,5.592) 30(37.144,5.592) 30(37.144,4.568) 30(37.144,4.568) 30(37.144,3.052) 30(37.144,3.052) 30(37.144,2.028) 30(37.144,2.028) 30(37.144,0.512) 30(37.144,0.512) 30(37.588,14.284) 30(37.588,14.284) 30(37.588,11.116) 30(37.588,11.116) 30(37.588,9.204) 30(37.588,9.204) 30(37.588,8.576) 30(37.588,8.576) 30(37.588,6.664) 30(37.588,6.664) 30(37.588,6.036) 30(37.588,6.036) 30(37.588,4.124) 30(37.588,4.124) 30(37.588,1.584) 30(37.588,1.584) 30(37.588,0.956) 30(37.588,0.956) 30(37.588,13.656) 30(37.588,13.656) 30(37.588,11.744) 30(37.588,11.744) 30(37.588,3.496) 30(37.588,3.496)
  round 1.3 hole 1.2: 1(-36.83,13.97) 1(-36.83,11.43) 1(-36.83,8.89) 1(-36.83,6.35) 1(-36.83,3.81) 1(-36.83,1.27) 2(-34.29,13.97) 2(-34.29,13.97) 2(-34.29,11.43) 2(-34.29,11.43) 2(-34.29,8.89) 2(-34.29,8.89) 2(-34.29,6.35) 2(-34.29,6.35) 2(-34.29,3.81) 2(-34.29,3.81) 2(-34.29,1.27) 2(-34.29,1.27) 3(-31.75,13.97) 3(-31.75,13.97) 3(-31.75,11.43) 3(-31.75,11.43) 3(-31.75,8.89) 3(-31.75,8.89) 3(-31.75,6.35) 3(-31.75,6.35) 3(-31.75,3.81) 3(-31.75,3.81) 3(-31.75,1.27) 3(-31.75,1.27) 4(-29.21,13.97) 4(-29.21,13.97) 4(-29.21,11.43) 4(-29.21,11.43) 4(-29.21,8.89) 4(-29.21,8.89) 4(-29.21,6.35) 4(-29.21,6.35) 4(-29.21,3.81) 4(-29.21,3.81) 4(-29.21,1.27) 4(-29.21,1.27) 5(-26.67,13.97) 5(-26.67,13.97) 5(-26.67,11.43) 5(-26.67,11.43) 5(-26.67,8.89) 5(-26.67,8.89) 5(-26.67,6.35) 5(-26.67,6.35) 5(-26.67,3.81) 5(-26.67,3.81) 5(-26.67,1.27) 5(-26.67,1.27) 6(-24.13,13.97) 6(-24.13,13.97) 6(-24.13,11.43) 6(-24.13,11.43) 6(-24.13,8.89) 6(-24.13,8.89) 6(-24.13,6.35) 6(-24.13,6.35) 6(-24.13,3.81) 6(-24.13,3.81) 6(-24.13,1.27) 6(-24.13,1.27) 7(-21.59,13.97) 7(-21.59,13.97) 7(-21.59,11.43) 7(-21.59,11.43) 7(-21.59,8.89) 7(-21.59,8.89) 7(-21.59,6.35) 7(-21.59,6.35) 7(-21.59,3.81) 7(-21.59,3.81) 7(-21.59,1.27) 7(-21.59,1.27) 8(-19.05,13.97) 8(-19.05,13.97) 8(-19.05,11.43) 8(-19.05,11.43) 8(-19.05,8.89) 8(-19.05,8.89) 8(-19.05,6.35) 8(-19.05,6.35) 8(-19.05,3.81) 8(-19.05,3.81) 8(-19.05,1.27) 8(-19.05,1.27) 9(-16.51,13.97) 9(-16.51,13.97) 9(-16.51,11.43) 9(-16.51,11.43) 9(-16.51,8.89) 9(-16.51,8.89) 9(-16.51,6.35) 9(-16.51,6.35) 9(-16.51,3.81) 9(-16.51,3.81) 9(-16.51,1.27) 9(-16.51,1.27) 10(-13.97,13.97) 10(-13.97,13.97) 10(-13.97,11.43) 10(-13.97,11.43) 10(-13.97,8.89) 10(-13.97,8.89) 10(-13.97,6.35) 10(-13.97,6.35) 10(-13.97,3.81) 10(-13.97,3.81) 10(-13.97,1.27) 10(-13.97,1.27) 11(-11.43,13.97) 11(-11.43,13.97) 11(-11.43,11.43) 11(-11.43,11.43) 11(-11.43,8.89) 11(-11.43,8.89) 11(-11.43,6.35) 11(-11.43,6.35) 11(-11.43,3.81) 11(-11.43,3.81) 11(-11.43,1.27) 11(-11.43,1.27) 12(-8.89,13.97) 12(-8.89,13.97) 12(-8.89,11.43) 12(-8.89,11.43) 12(-8.89,8.89) 12(-8.89,8.89) 12(-8.89,6.35) 12(-8.89,6.35) 12(-8.89,3.81) 12(-8.89,3.81) 12(-8.89,1.27) 12(-8.89,1.27) 13(-6.35,13.97) 13(-6.35,13.97) 13(-6.35,11.43) 13(-6.35,11.43) 13(-6.35,8.89) 13(-6.35,8.89) 13(-6.35,6.35) 13(-6.35,6.35) 13(-6.35,3.81) 13(-6.35,3.81) 13(-6.35,1.27) 13(-6.35,1.27) 14(-3.81,13.97) 14(-3.81,13.97) 14(-3.81,11.43) 14(-3.81,11.43) 14(-3.81,8.89) 14(-3.81,8.89) 14(-3.81,6.35) 14(-3.81,6.35) 14(-3.81,3.81) 14(-3.81,3.81) 14(-3.81,1.27) 14(-3.81,1.27) 15(-1.27,13.97) 15(-1.27,13.97) 15(-1.27,11.43) 15(-1.27,11.43) 15(-1.27,8.89) 15(-1.27,8.89) 15(-1.27,6.35) 15(-1.27,6.35) 15(-1.27,3.81) 15(-1.27,3.81) 15(-1.27,1.27) 15(-1.27,1.27) 16(1.27,13.97) 16(1.27,13.97) 16(1.27,11.43) 16(1.27,11.43) 16(1.27,8.89) 16(1.27,8.89) 16(1.27,6.35) 16(1.27,6.35) 16(1.27,3.81) 16(1.27,3.81) 16(1.27,1.27) 16(1.27,1.27) 17(3.81,13.97) 17(3.81,13.97) 17(3.81,11.43) 17(3.81,11.43) 17(3.81,8.89) 17(3.81,8.89) 17(3.81,6.35) 17(3.81,6.35) 17(3.81,3.81) 17(3.81,3.81) 17(3.81,1.27) 17(3.81,1.27) 18(6.35,13.97) 18(6.35,13.97) 18(6.35,11.43) 18(6.35,11.43) 18(6.35,8.89) 18(6.35,8.89) 18(6.35,6.35) 18(6.35,6.35) 18(6.35,3.81) 18(6.35,3.81) 18(6.35,1.27) 18(6.35,1.27) 19(8.89,13.97) 19(8.89,13.97) 19(8.89,11.43) 19(8.89,11.43) 19(8.89,8.89) 19(8.89,8.89) 19(8.89,6.35) 19(8.89,6.35) 19(8.89,3.81) 19(8.89,3.81) 19(8.89,1.27) 19(8.89,1.27) 20(11.43,13.97) 20(11.43,13.97) 20(11.43,11.43) 20(11.43,11.43) 20(11.43,8.89) 20(11.43,8.89) 20(11.43,6.35) 20(11.43,6.35) 20(11.43,3.81) 20(11.43,3.81) 20(11.43,1.27) 20(11.43,1.27) 21(13.97,13.97) 21(13.97,13.97) 21(13.97,11.43) 21(13.97,11.43) 21(13.97,8.89) 21(13.97,8.89) 21(13.97,6.35) 21(13.97,6.35) 21(13.97,3.81) 21(13.97,3.81) 21(13.97,1.27) 21(13.97,1.27) 22(16.51,13.97) 22(16.51,13.97) 22(16.51,11.43) 22(16.51,11.43) 22(16.51,8.89) 22(16.51,8.89) 22(16.51,6.35) 22(16.51,6.35) 22(16.51,3.81) 22(16.51,3.81) 22(16.51,1.27) 22(16.51,1.27) 23(19.05,13.97) 23(19.05,13.97) 23(19.05,11.43) 23(19.05,11.43) 23(19.05,8.89) 23(19.05,8.89) 23(19.05,6.35) 23(19.05,6.35) 23(19.05,3.81) 23(19.05,3.81) 23(19.05,1.27) 23(19.05,1.27) 24(21.59,13.97) 24(21.59,13.97) 24(21.59,11.43) 24(21.59,11.43) 24(21.59,8.89) 24(21.59,8.89) 24(21.59,6.35) 24(21.59,6.35) 24(21.59,3.81) 24(21.59,3.81) 24(21.59,1.27) 24(21.59,1.27) 25(24.13,13.97) 25(24.13,13.97) 25(24.13,11.43) 25(24.13,11.43) 25(24.13,8.89) 25(24.13,8.89) 25(24.13,6.35) 25(24.13,6.35) 25(24.13,3.81) 25(24.13,3.81) 25(24.13,1.27) 25(24.13,1.27) 26(26.67,13.97) 26(26.67,13.97) 26(26.67,11.43) 26(26.67,11.43) 26(26.67,8.89) 26(26.67,8.89) 26(26.67,6.35) 26(26.67,6.35) 26(26.67,3.81) 26(26.67,3.81) 26(26.67,1.27) 26(26.67,1.27) 27(29.21,13.97) 27(29.21,13.97) 27(29.21,11.43) 27(29.21,11.43) 27(29.21,8.89) 27(29.21,8.89) 27(29.21,6.35) 27(29.21,6.35) 27(29.21,3.81) 27(29.21,3.81) 27(29.21,1.27) 27(29.21,1.27) 28(31.75,13.97) 28(31.75,13.97) 28(31.75,11.43) 28(31.75,11.43) 28(31.75,8.89) 28(31.75,8.89) 28(31.75,6.35) 28(31.75,6.35) 28(31.75,3.81) 28(31.75,3.81) 28(31.75,1.27) 28(31.75,1.27) 29(34.29,13.97) 29(34.29,13.97) 29(34.29,11.43) 29(34.29,11.43) 29(34.29,8.89) 29(34.29,8.89) 29(34.29,6.35) 29(34.29,6.35) 29(34.29,3.81) 29(34.29,3.81) 29(34.29,1.27) 29(34.29,1.27) 30(36.83,13.97) 30(36.83,13.97) 30(36.83,11.43) 30(36.83,11.43) 30(36.83,8.89) 30(36.83,8.89) 30(36.83,6.35) 30(36.83,6.35) 30(36.83,3.81) 30(36.83,3.81) 30(36.83,1.27) 30(36.83,1.27)
  round 1.5 smd far side: 1(-36.83,13.97) 1(-36.83,1.27) 1(-36.83,1.27) 1(-36.83,1.27) 2(-34.29,13.97) 2(-34.29,13.97) 2(-34.29,1.27) 2(-34.29,1.27) 2(-34.29,1.27) 2(-34.29,1.27) 2(-34.29,1.27) 2(-34.29,1.27) 3(-31.75,13.97) 3(-31.75,13.97) 3(-31.75,1.27) 3(-31.75,1.27) 3(-31.75,1.27) 3(-31.75,1.27) 3(-31.75,1.27) 3(-31.75,1.27) 4(-29.21,13.97) 4(-29.21,13.97) 4(-29.21,1.27) 4(-29.21,1.27) 4(-29.21,1.27) 4(-29.21,1.27) 4(-29.21,1.27) 4(-29.21,1.27) 5(-26.67,13.97) 5(-26.67,13.97) 5(-26.67,1.27) 5(-26.67,1.27) 5(-26.67,1.27) 5(-26.67,1.27) 5(-26.67,1.27) 5(-26.67,1.27) 6(-24.13,13.97) 6(-24.13,13.97) 6(-24.13,1.27) 6(-24.13,1.27) 6(-24.13,1.27) 6(-24.13,1.27) 6(-24.13,1.27) 6(-24.13,1.27) 7(-21.59,13.97) 7(-21.59,13.97) 7(-21.59,1.27) 7(-21.59,1.27) 7(-21.59,1.27) 7(-21.59,1.27) 7(-21.59,1.27) 7(-21.59,1.27) 8(-19.05,13.97) 8(-19.05,13.97) 8(-19.05,1.27) 8(-19.05,1.27) 8(-19.05,1.27) 8(-19.05,1.27) 8(-19.05,1.27) 8(-19.05,1.27) 9(-16.51,13.97) 9(-16.51,13.97) 9(-16.51,1.27) 9(-16.51,1.27) 9(-16.51,1.27) 9(-16.51,1.27) 9(-16.51,1.27) 9(-16.51,1.27) 10(-13.97,13.97) 10(-13.97,13.97) 10(-13.97,1.27) 10(-13.97,1.27) 10(-13.97,1.27) 10(-13.97,1.27) 10(-13.97,1.27) 10(-13.97,1.27) 11(-11.43,13.97) 11(-11.43,13.97) 11(-11.43,1.27) 11(-11.43,1.27) 11(-11.43,1.27) 11(-11.43,1.27) 11(-11.43,1.27) 11(-11.43,1.27) 12(-8.89,13.97) 12(-8.89,13.97) 12(-8.89,1.27) 12(-8.89,1.27) 12(-8.89,1.27) 12(-8.89,1.27) 12(-8.89,1.27) 12(-8.89,1.27) 13(-6.35,13.97) 13(-6.35,13.97) 13(-6.35,1.27) 13(-6.35,1.27) 13(-6.35,1.27) 13(-6.35,1.27) 13(-6.35,1.27) 13(-6.35,1.27) 14(-3.81,13.97) 14(-3.81,13.97) 14(-3.81,1.27) 14(-3.81,1.27) 14(-3.81,1.27) 14(-3.81,1.27) 14(-3.81,1.27) 14(-3.81,1.27) 15(-1.27,13.97) 15(-1.27,13.97) 15(-1.27,1.27) 15(-1.27,1.27) 15(-1.27,1.27) 15(-1.27,1.27) 15(-1.27,1.27) 15(-1.27,1.27) 16(1.27,13.97) 16(1.27,13.97) 16(1.27,1.27) 16(1.27,1.27) 16(1.27,1.27) 16(1.27,1.27) 16(1.27,1.27) 16(1.27,1.27) 17(3.81,13.97) 17(3.81,13.97) 17(3.81,1.27) 17(3.81,1.27) 17(3.81,1.27) 17(3.81,1.27) 17(3.81,1.27) 17(3.81,1.27) 18(6.35,13.97) 18(6.35,13.97) 18(6.35,1.27) 18(6.35,1.27) 18(6.35,1.27) 18(6.35,1.27) 18(6.35,1.27) 18(6.35,1.27) 19(8.89,13.97) 19(8.89,13.97) 19(8.89,1.27) 19(8.89,1.27) 19(8.89,1.27) 19(8.89,1.27) 19(8.89,1.27) 19(8.89,1.27) 20(11.43,13.97) 20(11.43,13.97) 20(11.43,1.27) 20(11.43,1.27) 20(11.43,1.27) 20(11.43,1.27) 20(11.43,1.27) 20(11.43,1.27) 21(13.97,13.97) 21(13.97,13.97) 21(13.97,1.27) 21(13.97,1.27) 21(13.97,1.27) 21(13.97,1.27) 21(13.97,1.27) 21(13.97,1.27) 22(16.51,13.97) 22(16.51,13.97) 22(16.51,1.27) 22(16.51,1.27) 22(16.51,1.27) 22(16.51,1.27) 22(16.51,1.27) 22(16.51,1.27) 23(19.05,13.97) 23(19.05,13.97) 23(19.05,1.27) 23(19.05,1.27) 23(19.05,1.27) 23(19.05,1.27) 23(19.05,1.27) 23(19.05,1.27) 24(21.59,13.97) 24(21.59,13.97) 24(21.59,1.27) 24(21.59,1.27) 24(21.59,1.27) 24(21.59,1.27) 24(21.59,1.27) 24(21.59,1.27) 25(24.13,13.97) 25(24.13,13.97) 25(24.13,1.27) 25(24.13,1.27) 25(24.13,1.27) 25(24.13,1.27) 25(24.13,1.27) 25(24.13,1.27) 26(26.67,13.97) 26(26.67,13.97) 26(26.67,1.27) 26(26.67,1.27) 26(26.67,1.27) 26(26.67,1.27) 26(26.67,1.27) 26(26.67,1.27) 27(29.21,13.97) 27(29.21,13.97) 27(29.21,1.27) 27(29.21,1.27) 27(29.21,1.27) 27(29.21,1.27) 27(29.21,1.27) 27(29.21,1.27) 28(31.75,13.97) 28(31.75,13.97) 28(31.75,1.27) 28(31.75,1.27) 28(31.75,1.27) 28(31.75,1.27) 28(31.75,1.27) 28(31.75,1.27) 29(34.29,13.97) 29(34.29,13.97) 29(34.29,1.27) 29(34.29,1.27) 29(34.29,1.27) 29(34.29,1.27) 29(34.29,1.27) 29(34.29,1.27) 30(36.83,13.97) 30(36.83,13.97) 30(36.83,1.27) 30(36.83,1.27) 30(36.83,1.27) 30(36.83,1.27) 30(36.83,1.27) 30(36.83,1.27)
  custom 1.5x1.5 smd: 1(-36.83,13.97) 2(-34.29,13.97) 3(-31.75,13.97) 4(-29.21,13.97) 5(-26.67,13.97) 6(-24.13,13.97) 7(-21.59,13.97) 8(-19.05,13.97) 9(-16.51,13.97) 10(-13.97,13.97) 11(-11.43,13.97) 12(-8.89,13.97) 13(-6.35,13.97) 14(-3.81,13.97) 15(-1.27,13.97) 16(1.27,13.97) 17(3.81,13.97) 18(6.35,13.97) 19(8.89,13.97) 20(11.43,13.97) 21(13.97,13.97) 22(16.51,13.97) 23(19.05,13.97) 24(21.59,13.97) 25(24.13,13.97) 26(26.67,13.97) 27(29.21,13.97) 28(31.75,13.97) 29(34.29,13.97) 30(36.83,13.97)
